# Altium PCB egse_pcb.PcbDoc (part 2 of 3)
Units mm, origin at the board's own origin, x right, y up, seen from the top; angles counter-clockwise.
Board outline 120 x 120 mm, 6 copper layers (Top Layer, GND-1, INT-SIG-1, INT-SIG-2, GND-2, Bottom Layer), stack 1.535 mm thick; 278 components, 151 nets, 1110 pads, 1015 vias.
Unrouted connection lines stored in the file: 164.
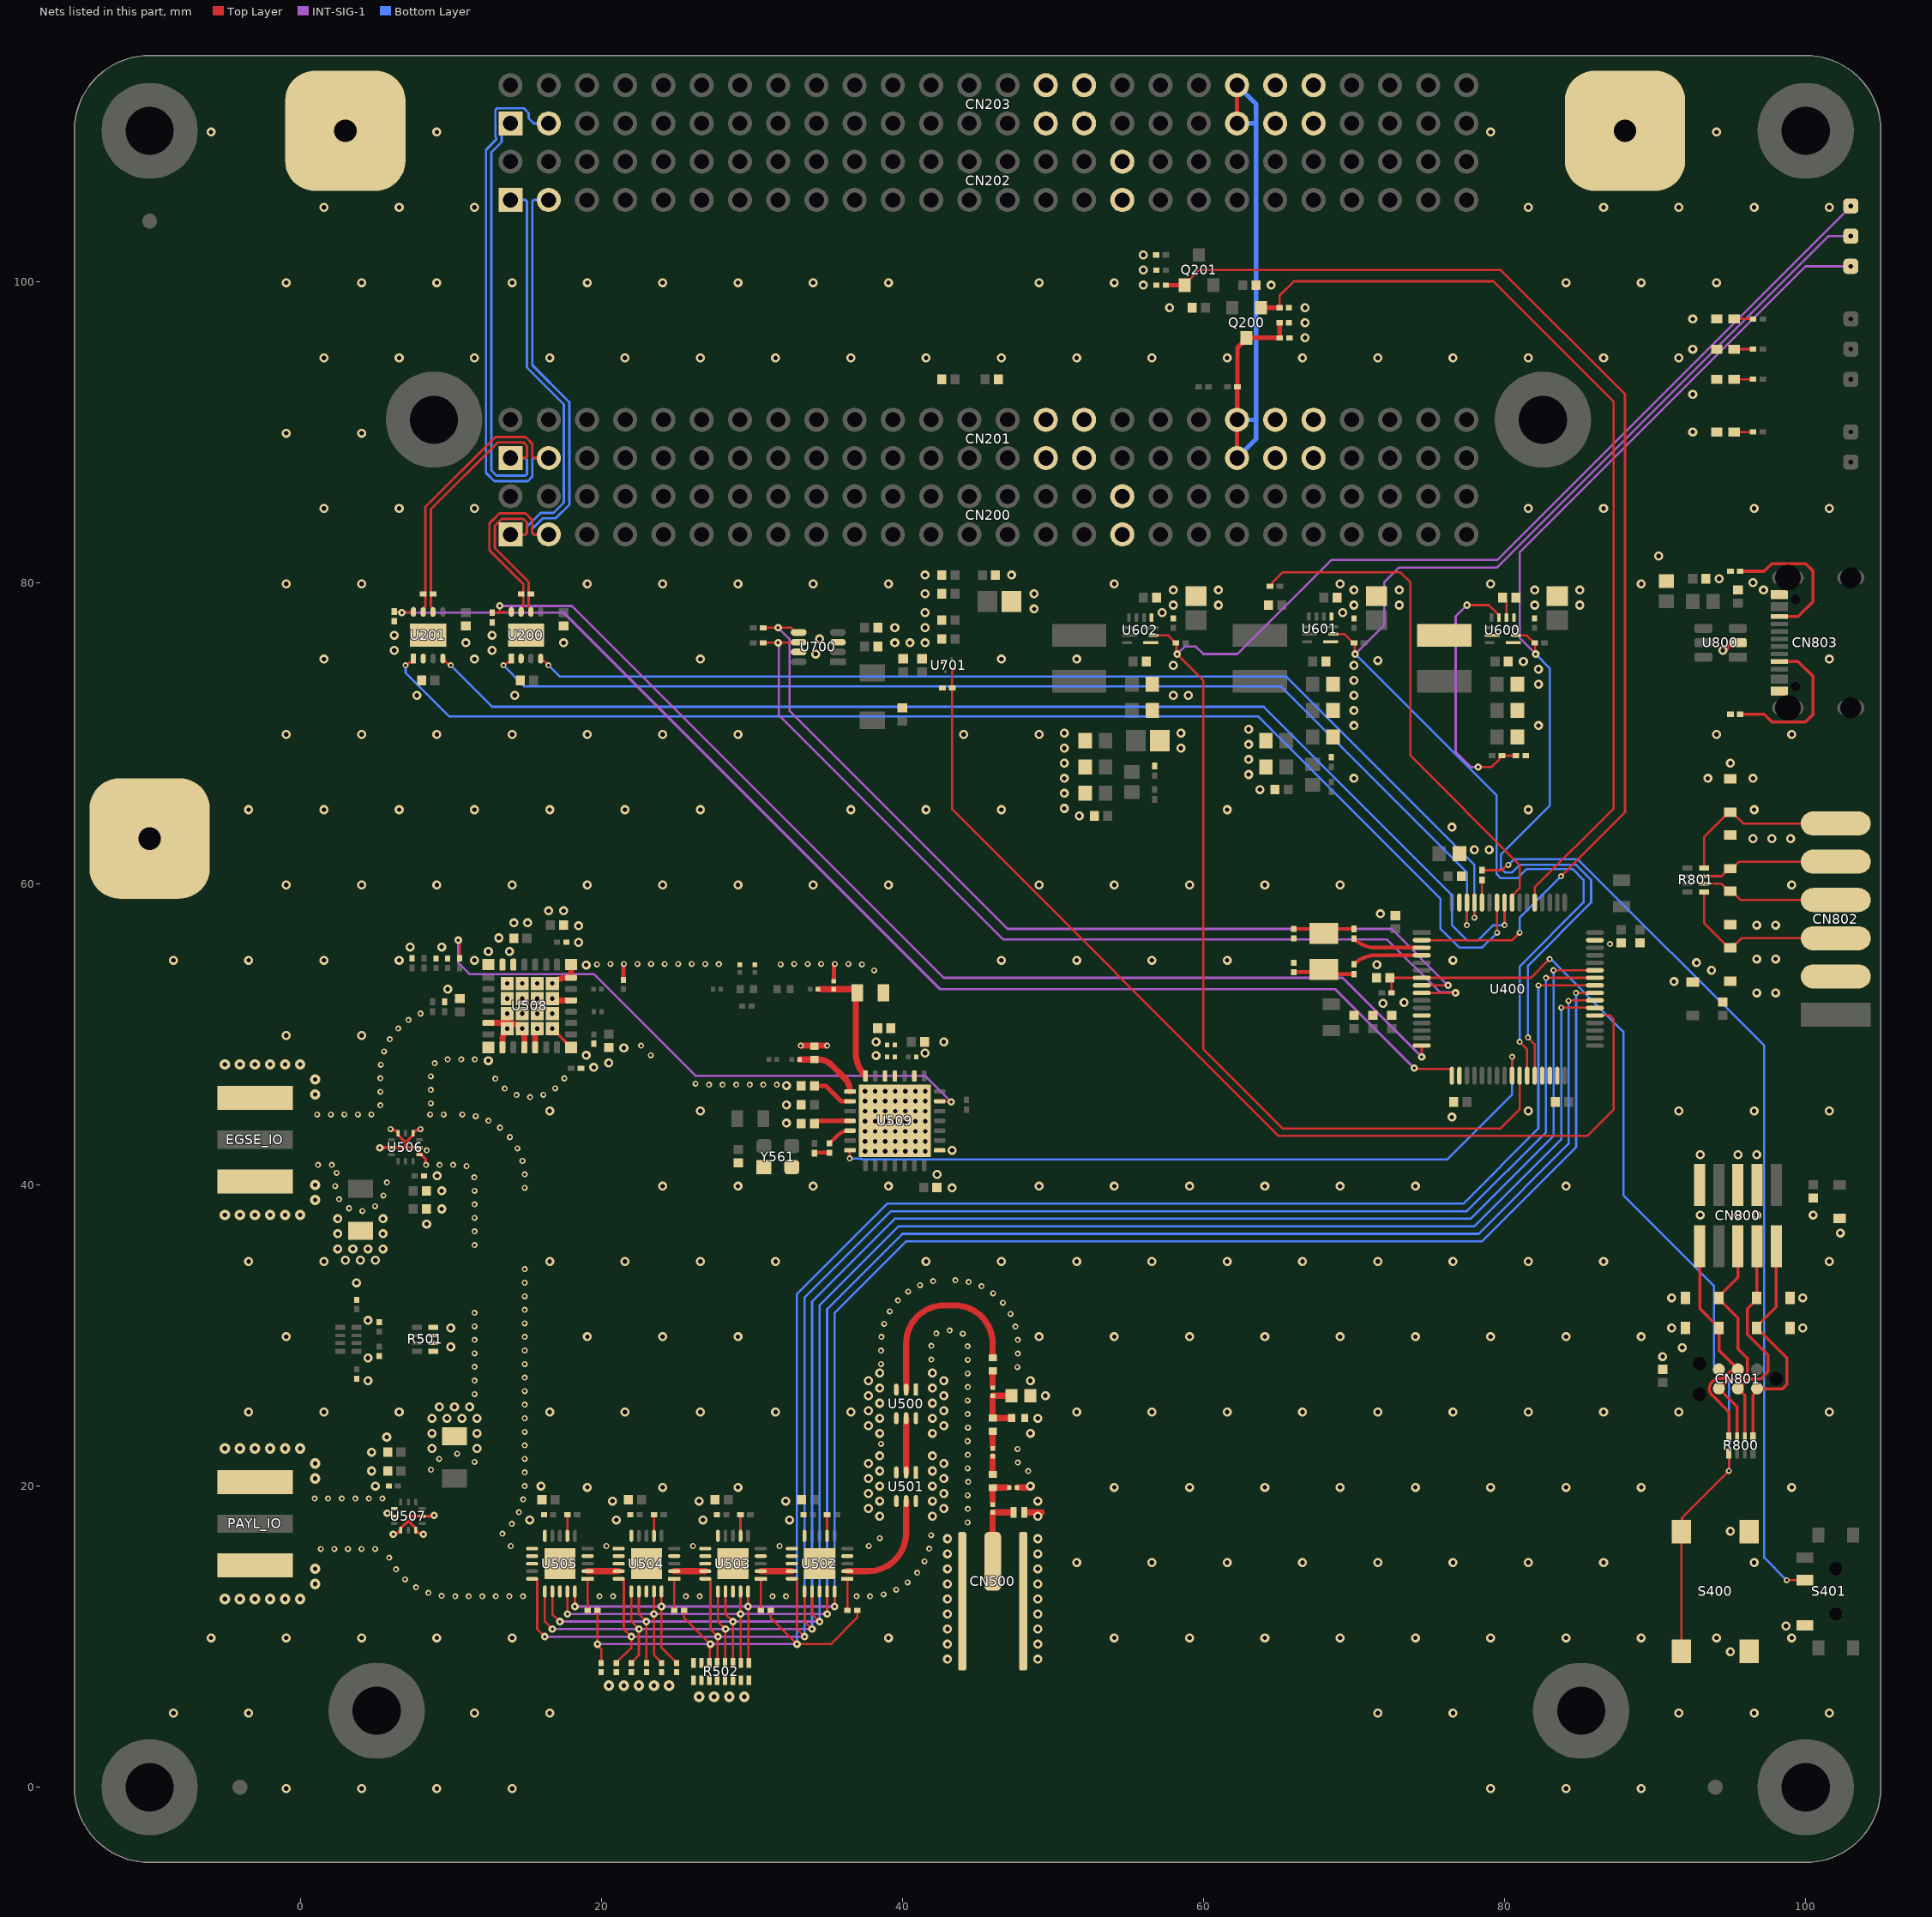
[diagram p6: the nets of this part, all layers, seen from the top]

## Part data (continued)
CN800: library part "SWD Header 2x5 1.27mm", "Samtec FTSH-105-L-DV"
CN802: library part "UART Header 1x6 2.54mm", "Header 1x6 2.54mm"
CN803: library part "USB-C USB4105-GF-A", "z"
D500: "TVS DIODE 4V 1005", Capacitance @ Frequency="0.05pF @ 1MHz", Device Package="0402 (1005 Metric)", manufacturer="Murata Electronics", Operating Temperature="-40°C ~ 85°C (TA)", Power Line Protection=No, Supplier Device Package=1005, Supplier Part Number 1=490-13210-2-ND, Voltage - Reverse Standoff (Typ)=4V, Applications="General Purpose", Bidirectional Channels=1, ComponentLink1Description=Datasheet, ComponentLink1URL=https://www.murata.com/en-us/products/productdata/8796832759838/CRESD-E.pdf, componentlink2description="DigiKey Link", componentlink2url=http://digikey.com/product-detail/en/murata-electronics/LXES15AAA1-153/490-13210-2-ND/5843762, lastupdated="03/06/2024 20:23:00", Lifecycle Status=Active, Minimum Order=0, Mounting Type="Surface Mount", Package / Case="0402 (1005 Metric)", packaging=TapeAndReel, Part Number=LXES15AAA1-153, Part Status=Active, partid=10448, price=0.04, series=-, Supplier 1=DigiKey, Type=Zener
D600: library part EAST10052GA0, "LED GREEN CLEAR 2SMD", Current - Test=5mA, Device Package="0402 (1005 Metric)", Lens Color=Colorless, manufacturer="Everlight Electronics Co Ltd", Supplier Device Package=2-SMD, Supplier Part Number 1=1080-1557-1-ND, Voltage - Forward (Vf) (Typ)=2.95V, Color=Green, ComponentLink1Description=Datasheet, ComponentLink1URL=https://everlightamericas.com/index.php?controller=attachment&id_attachment=3256, componentlink2description="DigiKey Link", componentlink2url=https://www.digikey.com/en/products/detail/everlight-electronics-co-ltd/EAST10052GA0/8510366, Configuration=Standard, Height (Max)=0.25mm, lastupdated="03/06/2024 19:58:14", Lens Size="1.00mm x 0.50mm", Lens Style="Rectangle with Flat Top", Lens Transparency=Clear, Lifecycle Status=Active, Minimum Order=1, Mounting Type="Surface Mount", Package / Case="0402 (1005 Metric)", packaging=TapeAndReel, Part Number=EAST10052GA0, Part Status=Active, partid=696, price=0.09, series=-, Size / Dimension="1.00mm L x 0.50mm W", Supplier 1=DigiKey, Viewing Angle=120°, Wavelength - Peak=518nm
D601 D602: library part FHY1105P-TR, "LED YELLOW CLEAR 1005 SMD", Current - Test=5mA, Device Package="0402 (1005 Metric)", Lens Color=Colorless, manufacturer="Stanley Electric Co", Millicandela Rating=32mcd, Supplier Device Package=1005, Supplier Part Number 1=404-1209-1-ND, Voltage - Forward (Vf) (Typ)=1.9V, Color=Yellow, ComponentLink1Description=Datasheet, ComponentLink1URL=http://www.stanley-components.com/php/downloaddatafile.php?rp=0,FHY1105P-TR_e.pdf, componentlink2description="DigiKey Link", componentlink2url=https://www.digikey.com/en/products/detail/stanley-electric-co/FHY1105P-TR/6205303, Configuration=Standard, Height (Max)=0.25mm, lastupdated="03/06/2024 20:00:47", Lens Size="1.00mm x 0.50mm", Lens Style="Rectangle with Flat Top", Lens Transparency=Clear, Lifecycle Status=Active, Minimum Order=1, Mounting Type="Surface Mount", Package / Case="0402 (1005 Metric)", packaging=TapeAndReel, Part Number=FHY1105P-TR, Part Status=Active, partid=166, price=0.05, series=-, Size / Dimension="1.00mm L x 0.50mm W", Supplier 1=DigiKey, Wavelength - Dominant=590nm, Wavelength - Peak=594nm
D603: library part EAST10053RA0, "LED RED CLEAR 2SMD", Current - Test=5mA, Device Package="0402 (1005 Metric)", Lens Color=Colorless, manufacturer="Everlight Electronics Co Ltd", Supplier Device Package=2-SMD, Supplier Part Number 1=1080-1556-1-ND, Voltage - Forward (Vf) (Typ)=2.05V, Color=Red, ComponentLink1Description=Datasheet, ComponentLink1URL=https://everlightamericas.com/index.php?controller=attachment&id_attachment=3575, componentlink2description="DigiKey Link", componentlink2url=https://www.digikey.com/en/products/detail/everlight-electronics-co-ltd/EAST10053RA0/8510365, Configuration=Standard, Height (Max)=0.35mm, lastupdated="03/06/2024 19:59:17", Lens Size="1.00mm x 0.50mm", Lens Style="Rectangle with Flat Top", Lens Transparency=Clear, Lifecycle Status=Active, Minimum Order=1, Mounting Type="Surface Mount", Package / Case="0402 (1005 Metric)", packaging=TapeAndReel, Part Number=EAST10053RA0, Part Status=Active, partid=508, price=0.05, series=-, Size / Dimension="1.00mm L x 0.50mm W", Supplier 1=DigiKey, Viewing Angle=120°, Wavelength - Peak=639nm
D800 D801 D802 D803 D804 D805 D806 D807 D808 D809: "TVS DIODE 3.3VWM 26VC SOD323", Capacitance @ Frequency="101pF @ 1MHz", Current - Peak Pulse (10/1000µs)="18A (8/20µs)", manufacturer="Nexperia USA Inc.", Operating Temperature="-65°C ~ 150°C (TA)", Package / Case="SC-76, SOD-323", Power - Peak Pulse=500W, Power Line Protection=No, Supplier Device Package=SOD-323, Supplier Part Number 1=1727-3825-1-ND, Voltage - Breakdown (Min)=5.8V, Voltage - Clamping (Max) @ Ipp=26V, Voltage - Reverse Standoff (Typ)="3.3V (Max)", Applications="General Purpose", Bidirectional Channels=1, ComponentLink1Description=Datasheet, ComponentLink1URL=https://assets.nexperia.com/documents/data-sheet/PESDXL1BA_SER.pdf, componentlink2description="DigiKey Link", componentlink2url=https://www.digikey.com/en/products/detail/nexperia-usa-inc/PESD3V3L1BA-115/1157438, lastupdated="03/06/2024 20:22:28", Lifecycle Status=Active, Minimum Order=1, Mounting Type="Surface Mount", packaging=TapeAndReel, Part Number=PESD3V3L1BA,115, Part Status=Active, partid=9994, price=0.06, series=-, Supplier 1=DigiKey, Type=Zener
FB600 FB601 FB800: library part BLE18PS080SN1D, "FERRITE BEAD 8.5 OHM 0603 1LN", Current Rating (Max)=8A, DC Resistance (DCR) (Max)=4mOhm, Device Package="0603 (1608 Metric)", manufacturer="Murata Electronics", Operating Temperature="-55°C ~ 125°C", Supplier Part Number 1=490-BLE18PS080SN1DCT-ND, ComponentLink1Description=Datasheet, ComponentLink1URL=https://www.murata.com/products/productdata/8800169525278/ENFA0080.pdf, componentlink2description="DigiKey Link", componentlink2url=https://www.digikey.com/en/products/detail/murata-electronics/BLE18PS080SN1D/13904803, Filter Type="Power Line", Height (Max)="0.030\" (0.75mm)", Impedance @ Frequency="8.5 Ohms @ 100 MHz", lastupdated="03/06/2024 19:51:46", Lifecycle Status=Active, Minimum Order=1, Mounting Type="Surface Mount", Number of Lines=1, Package / Case="0603 (1608 Metric)", packaging=TapeAndReel, Part Number=BLE18PS080SN1D, Part Status=Active, partid=2651, price=0.08, series="EMIFIL®, BLE18", Size / Dimension="0.063\" L x 0.031\" W (1.60mm x 0.80mm)", Supplier 1=DigiKey
FID100 FID101 FID102: "FIducial Mark (concentric 1 mm, 3 mm)"
L500 L501: library part LQW15ANR10J00D, "FIXED IND 100NH 120MA 2.52OHM SM", Current Rating (Amps)="120 mA", DC Resistance (DCR)="2.52Ohm Max", Device Package="0402 (1005 Metric)", Frequency - Self Resonant=1.5GHz, Inductance Frequency - Test="100 MHz", manufacturer="Murata Electronics", Operating Temperature="-55°C ~ 125°C", Q @ Freq="20 @ 150MHz", Supplier Part Number 1=490-4090-1-ND, Tolerance=±5%, ComponentLink1Description=Datasheet, ComponentLink1URL=https://search.murata.co.jp/Ceramy/image/img/P02/JELF243A-0050.pdf, componentlink2description="DigiKey Link", componentlink2url=https://www.digikey.com/en/products/detail/murata-electronics/LQW15ANR10J00D/1016249, Height - Seated (Max)="0.024\" (0.60mm)", Inductance="100 nH", lastupdated="03/06/2024 20:03:22", Lifecycle Status=Active, Material - Core=Non-Magnetic, Minimum Order=1, Mounting Type="Surface Mount", Package / Case="0402 (1005 Metric)", packaging=TapeAndReel, Part Number=LQW15ANR10J00D, Part Status=Active, partid=282, price=0.04, series=LQW15, Shielding=Unshielded, Size / Dimension="0.039\" L x 0.020\" W (1.00mm x 0.50mm)", Supplier 1=DigiKey, Type="Drum Core, Wirewound"
L502: library part LQW15AN6N0B8ZD, "FIXED IND 6NH 1.6A 0.056OHM SMD", Current Rating (Amps)="1.6 A", DC Resistance (DCR)="56mOhm Max", Device Package="0402 (1005 Metric)", Frequency - Self Resonant=8GHz, Inductance Frequency - Test="100 MHz", manufacturer="Murata Electronics", Operating Temperature="-55°C ~ 125°C", Q @ Freq="32 @ 250MHz", Ratings=AEC-Q200, Supplier Part Number 1=490-15539-1-ND, Tolerance=±0.1nH, ComponentLink1Description=Datasheet, ComponentLink1URL=https://search.murata.co.jp/Ceramy/image/img/P02/JELF243A-9138.pdf, componentlink2description="DigiKey Link", componentlink2url=https://www.digikey.com/en/products/detail/murata-electronics/LQW15AN6N0B8ZD/6798964, Height - Seated (Max)="0.024\" (0.60mm)", Inductance="6 nH", lastupdated="03/06/2024 20:03:25", Lifecycle Status=Active, Material - Core=Non-Magnetic, Minimum Order=1, Mounting Type="Surface Mount", Package / Case="0402 (1005 Metric)", packaging=TapeAndReel, Part Number=LQW15AN6N0B8ZD, Part Status=Active, partid=40, price=0.07, series=LQW15, Shielding=Unshielded, Size / Dimension="0.039\" L x 0.024\" W (1.00mm x 0.60mm)", Supplier 1=DigiKey, Type="Drum Core, Wirewound"
L503: library part LQW15AN2N2D10D, "FIXED IND 2.2NH 1A 0.027OHM SMD", Current Rating (Amps)="1 A", DC Resistance (DCR)="27mOhm Max", Device Package="0402 (1005 Metric)", Frequency - Self Resonant=14GHz, Inductance Frequency - Test="100 MHz", manufacturer="Murata Electronics", Operating Temperature="-55°C ~ 125°C", Q @ Freq="25 @ 250MHz", Supplier Part Number 1=490-6795-1-ND, Tolerance=±0.5nH, ComponentLink1Description=Datasheet, ComponentLink1URL=https://search.murata.co.jp/Ceramy/image/img/P02/JELF243A-0051.pdf, componentlink2description="DigiKey Link", componentlink2url=https://www.digikey.com/en/products/detail/murata-electronics/LQW15AN2N2D10D/2594881, Height - Seated (Max)="0.024\" (0.60mm)", Inductance="2.2 nH", lastupdated="03/06/2024 20:03:23", Lifecycle Status=Active, Material - Core=Non-Magnetic, Minimum Order=1, Mounting Type="Surface Mount", Package / Case="0402 (1005 Metric)", packaging=TapeAndReel, Part Number=LQW15AN2N2D10D, Part Status=Active, partid=170, price=0.05, series=LQW15, Shielding=Unshielded, Size / Dimension="0.039\" L x 0.024\" W (1.00mm x 0.60mm)", Supplier 1=DigiKey, Type="Drum Core, Wirewound"
L504: library part GJM0335C1E2R2BB01D, "CAP CER 2.2PF 25V C0G/NP0 0201", Device Package="0201 (0603 Metric)", manufacturer="Murata Electronics", Operating Temperature="-55°C ~ 125°C", Supplier Part Number 1=490-8070-1-ND, Temperature Coefficient="C0G, NP0", Tolerance=±0.1pF, Voltage - Rated=25V, Applications="RF, Microwave, High Frequency", Capacitance="2.2 pF", ComponentLink1Description=Datasheet, ComponentLink1URL=https://search.murata.co.jp/Ceramy/image/img/A01X/G101/ENG/GJM0335C1E2R2BB01-01.pdf, componentlink2description="DigiKey Link", componentlink2url=https://www.digikey.com/en/products/detail/murata-electronics/GJM0335C1E2R2BB01D/2592553, Features="High Q, Low Loss", lastupdated="04/06/2024 19:01:06", Lifecycle Status=Active, Minimum Order=1, Mounting Type="Surface Mount", Package / Case="0201 (0603 Metric)", packaging=TapeAndReel, Part Number=GJM0335C1E2R2BB01D, Part Status=Active, partid=1246, price=0.01, series=GJM, Size / Dimension="0.024\" L x 0.012\" W (0.60mm x 0.30mm)", Supplier 1=DigiKey, Thickness (Max)="0.013\" (0.33mm)"
L505: library part LQW15AN3N3D8ZD, "FIXED IND 3.3NH 2A 0.03OHM SMD", Current Rating (Amps)="2 A", DC Resistance (DCR)="30mOhm Max", Device Package="0402 (1005 Metric)", Frequency - Self Resonant=14GHz, Inductance Frequency - Test="100 MHz", manufacturer="Murata Electronics", Operating Temperature="-55°C ~ 125°C", Q @ Freq="30 @ 250MHz", Ratings=AEC-Q200, Supplier Part Number 1=490-15421-1-ND, Tolerance=±0.5nH, ComponentLink1Description=Datasheet, ComponentLink1URL=https://search.murata.co.jp/Ceramy/image/img/P02/JELF243A-9138.pdf, componentlink2description="DigiKey Link", componentlink2url=https://www.digikey.com/en/products/detail/murata-electronics/LQW15AN3N3D8ZD/6798846, Height - Seated (Max)="0.024\" (0.60mm)", Inductance="3.3 nH", lastupdated="03/06/2024 20:03:24", Lifecycle Status=Active, Material - Core=Non-Magnetic, Minimum Order=1, Mounting Type="Surface Mount", Package / Case="0402 (1005 Metric)", packaging=TapeAndReel, Part Number=LQW15AN3N3D8ZD, Part Status=Active, partid=69, price=0.06, series=LQW15, Shielding=Unshielded, Size / Dimension="0.039\" L x 0.024\" W (1.00mm x 0.60mm)", Supplier 1=DigiKey, Type="Drum Core, Wirewound"
L506: library part LQW15AN15NJ8ZD, "FIXED IND 15NH 1.15A 0.114OHM SM", Current Rating (Amps)="1.15 A", DC Resistance (DCR)="114mOhm Max", Device Package="0402 (1005 Metric)", Frequency - Self Resonant=5.5GHz, Inductance Frequency - Test="100 MHz", manufacturer="Murata Electronics", Operating Temperature="-55°C ~ 125°C", Q @ Freq="31 @ 250MHz", Ratings=AEC-Q200, Supplier Part Number 1=490-15342-1-ND, Tolerance=±5%, ComponentLink1Description=Datasheet, ComponentLink1URL=https://search.murata.co.jp/Ceramy/image/img/P02/JELF243A-9138.pdf, componentlink2description="DigiKey Link", componentlink2url=https://www.digikey.com/en/products/detail/murata-electronics/LQW15AN15NJ8ZD/6798767, Height - Seated (Max)="0.024\" (0.60mm)", Inductance="15 nH", lastupdated="03/06/2024 20:03:24", Lifecycle Status=Active, Material - Core=Non-Magnetic, Minimum Order=1, Mounting Type="Surface Mount", Package / Case="0402 (1005 Metric)", packaging=TapeAndReel, Part Number=LQW15AN15NJ8ZD, Part Status=Active, partid=108, price=0.06, series=LQW15, Shielding=Unshielded, Size / Dimension="0.039\" L x 0.024\" W (1.00mm x 0.60mm)", Supplier 1=DigiKey, Supplier Device Package="0402 (1005 Metric)", Type="Drum Core, Wirewound"
L507: library part LQW15AN18NG8ZD, "FIXED IND 18NH 1.05A 0.13OHM SMD", Current Rating (Amps)="1.05 A", DC Resistance (DCR)="130mOhm Max", Device Package="0402 (1005 Metric)", Frequency - Self Resonant=5.2GHz, Inductance Frequency - Test="100 MHz", manufacturer="Murata Electronics", Operating Temperature="-55°C ~ 125°C", Q @ Freq="30 @ 250MHz", Ratings=AEC-Q200, Supplier Part Number 1=490-15347-1-ND, Tolerance=±2%, ComponentLink1Description=Datasheet, ComponentLink1URL=https://search.murata.co.jp/Ceramy/image/img/P02/JELF243A-9138.pdf, componentlink2description="DigiKey Link", componentlink2url=https://www.digikey.com/en/products/detail/murata-electronics/LQW15AN18NG8ZD/6798772, Height - Seated (Max)="0.024\" (0.60mm)", Inductance="18 nH", lastupdated="03/06/2024 20:03:23", Lifecycle Status=Active, Material - Core=Non-Magnetic, Minimum Order=1, Mounting Type="Surface Mount", Package / Case="0402 (1005 Metric)", packaging=TapeAndReel, Part Number=LQW15AN18NG8ZD, Part Status=Active, partid=193, price=0.07, series=LQW15, Shielding=Unshielded, Size / Dimension="0.039\" L x 0.024\" W (1.00mm x 0.60mm)", Supplier 1=DigiKey, Supplier Device Package="0402 (1005 Metric)", Type="Drum Core, Wirewound"
L600 L601 L602: library part SRN4018-2R2M, "FIXED IND 2.2UH 2.9A 44 MOHM SMD", Current - Saturation=3A, Current Rating (Amps)="2.9 A", DC Resistance (DCR)="44mOhm Max", Device Package=Nonstandard, Frequency - Self Resonant=60MHz, Inductance Frequency - Test="100 kHz", manufacturer="Bourns Inc.", Operating Temperature="-40°C ~ 125°C", Q @ Freq="9 @ 7.96MHz", Supplier Part Number 1=SRN4018-2R2MCT-ND, Tolerance=±20%, ComponentLink1Description=Datasheet, ComponentLink1URL=https://www.bourns.com/docs/Product-Datasheets/SRN4018.pdf, componentlink2description="DigiKey Link", componentlink2url=https://www.digikey.com/en/products/detail/bourns-inc/SRN4018-2R2M/3821619, Height - Seated (Max)="0.071\" (1.80mm)", Inductance="2.2 µH", lastupdated="03/06/2024 20:24:37", Lifecycle Status=Active, Material - Core=Ferrite, Minimum Order=1, Mounting Type="Surface Mount", Package / Case=Nonstandard, packaging=TapeAndReel, Part Number=SRN4018-2R2M, Part Status=Active, partid=3660, price=0.17, series=SRN4018, Shielding=Shielded, Size / Dimension="0.157\" L x 0.157\" W (4.00mm x 4.00mm)", Supplier 1=DigiKey, Type="Drum Core, Wirewound"
LOG100 LOG101 LOG102 LOG103 LOG104 LOG105: library part Logo
MH100 MH101 MH102 MH103 MH104 MH105 MH106 MH107: library part "MH M3"
Q200 Q201: "MOSFET P-CH 50V 130MA SOT23-3", Current - Continuous Drain (Id) @ 25°C="130mA (Ta)", Drain to Source Voltage (Vdss)="50 V", Drive Voltage (Max Rds On,  Min Rds On)=5V, Input Capacitance (Ciss) (Max) @ Vds="45 pF @ 25 V", manufacturer="Diodes Incorporated", Operating Temperature="-55°C ~ 150°C (TJ)", Package / Case="TO-236-3, SC-59, SOT-23-3", Power Dissipation (Max)="300mW (Ta)", Supplier Device Package=SOT-23-3, Supplier Part Number 1=BSS84-FDICT-ND, ComponentLink1Description=Datasheet, ComponentLink1URL=https://www.diodes.com/assets/Datasheets/ds30149.pdf, componentlink2description="DigiKey Link", componentlink2url=https://www.digikey.com/en/products/detail/diodes-incorporated/BSS84-7-F/717724, FET Type=P-Channel, lastupdated="03/06/2024 20:15:20", Lifecycle Status=Active, Minimum Order=1, Mounting Type="Surface Mount", packaging=TapeAndReel, Part Number=BSS84-7-F, Part Status=Active, price=0.02, Rds On (Max) @ Id, Vgs="10Ohm @ 100mA, 5V", series=-, Supplier 1=DigiKey, Technology="MOSFET (Metal Oxide)", Vgs (Max)=±20V, Vgs(th) (Max) @ Id="2V @ 1mA"
R200 R204: library part CRCW0201120RFNED, "RES SMD 120 OHM 1% 1/20W 0201", Device Package="0201 (0603 Metric)", manufacturer="Vishay Dale", Operating Temperature="-55°C ~ 155°C", Power (Watts)="0.05W, 1/20W", Supplier Device Package=201, Supplier Part Number 1=541-CRCW0201120RFNEDCT-ND, Temperature Coefficient=±200ppm/°C, Tolerance=±1%, ComponentLink1Description=Datasheet, ComponentLink1URL=http://www.vishay.com/docs/20052/crcw0201e3.pdf, componentlink2description="DigiKey Link", componentlink2url=https://www.digikey.com/en/products/detail/vishay-dale/CRCW0201120RFNED/1199704, Composition="Thick Film", Height - Seated (Max)="0.010\" (0.26mm)", lastupdated="04/06/2024 19:11:56", Lifecycle Status=Active, Minimum Order=1, Number of Terminations=2, Package / Case="0201 (0603 Metric)", packaging=TapeAndReel, Part Number=CRCW0201120RFNED, Part Status=Active, partid=2072, price=0.01, Resistance="120 Ohms", series="CRCW0201 e3", Size / Dimension="0.024\" L x 0.012\" W (0.60mm x 0.30mm)", Supplier 1=DigiKey
R201 R205 R206 R207 R600 R604 R611 R703: library part RC0201FR-13100KL, "RES 100K OHM 1% 1/20W 0201", Device Package="0201 (0603 Metric)", manufacturer=Yageo, Operating Temperature="-55°C ~ 125°C", Power (Watts)="0.05W, 1/20W", Supplier Device Package=0201, Supplier Part Number 1=13-RC0201FR-13100KLCT-ND, Temperature Coefficient=±200ppm/°C, Tolerance=±1%, ComponentLink1Description=Datasheet, ComponentLink1URL=https://www.yageo.com/upload/media/product/productsearch/datasheet/rchip/PYu-RC_Group_51_RoHS_L_12.pdf, componentlink2description="DigiKey Link", componentlink2url=https://www.digikey.com/en/products/detail/yageo/RC0201FR-13100KL/17014509, Composition="Thick Film", Features="Moisture Resistant", Height - Seated (Max)="0.010\" (0.26mm)", lastupdated="04/06/2024 19:11:47", Lifecycle Status=Active, Minimum Order=1, Number of Terminations=2, Package / Case="0201 (0603 Metric)", packaging=CutTape, Part Number=RC0201FR-13100KL, partid=80199, price=0.01, Resistance="100 kOhms", series=RC_L, Size / Dimension="0.024\" L x 0.012\" W (0.60mm x 0.30mm)", Supplier 1=DigiKey
R202 R203: library part CRCW02011M00JNED, "RES SMD 1M OHM 5% 1/20W 0201", Device Package="0201 (0603 Metric)", manufacturer="Vishay Dale", Operating Temperature="-55°C ~ 155°C", Power (Watts)="0.05W, 1/20W", Supplier Device Package=201, Supplier Part Number 1=541-CRCW02011M00JNEDCT-ND, Temperature Coefficient=±200ppm/°C, Tolerance=±5%, ComponentLink1Description=Datasheet, ComponentLink1URL=http://www.vishay.com/docs/20052/crcw0201e3.pdf, componentlink2description="DigiKey Link", componentlink2url=https://www.digikey.com/en/products/detail/vishay-dale/CRCW02011M00JNED/1199588, Composition="Thick Film", Height - Seated (Max)="0.010\" (0.26mm)", lastupdated="04/06/2024 19:12:01", Lifecycle Status=Active, Minimum Order=1, Number of Terminations=2, Package / Case="0201 (0603 Metric)", packaging=TapeAndReel, Part Number=CRCW02011M00JNED, Part Status=Active, partid=493, price=0.01, Resistance="1 MOhms", series="CRCW0201 e3", Size / Dimension="0.024\" L x 0.012\" W (0.60mm x 0.30mm)", Supplier 1=DigiKey
R402 R403 R515 R517: library part AC0201JR-070RL, "RES SMD 0 OHM JUMPER 1/20W 0201", Device Package="0201 (0603 Metric)", manufacturer=Yageo, Operating Temperature="-55°C ~ 155°C", Power (Watts)="0.05W, 1/20W", Ratings=AEC-Q200, Supplier Device Package=0201, Supplier Part Number 1=YAG3427CT-ND, Tolerance=Jumper, ComponentLink1Description=Datasheet, ComponentLink1URL=https://www.yageo.com/upload/media/product/productsearch/datasheet/rchip/PYu-AC_51_RoHS_L_7.pdf, componentlink2description="DigiKey Link", componentlink2url=https://www.digikey.com/en/products/detail/yageo/AC0201JR-070RL/5894880, Composition="Thick Film", Features="Automotive AEC-Q200, Moisture Resistant", Height - Seated (Max)="0.010\" (0.26mm)", lastupdated="04/06/2024 19:12:00", Lifecycle Status=Active, Minimum Order=1, Number of Terminations=2, Package / Case="0201 (0603 Metric)", packaging=CutTape, Part Number=AC0201JR-070RL, Part Status=Active, partid=818, price=0.01, Resistance="0 Ohms", series=AC, Size / Dimension="0.024\" L x 0.012\" W (0.60mm x 0.30mm)", Supplier 1=DigiKey